# EAGLE board Mk4 Final Panel (EAGLE 9.0.1), part 1 of 18 (continued)
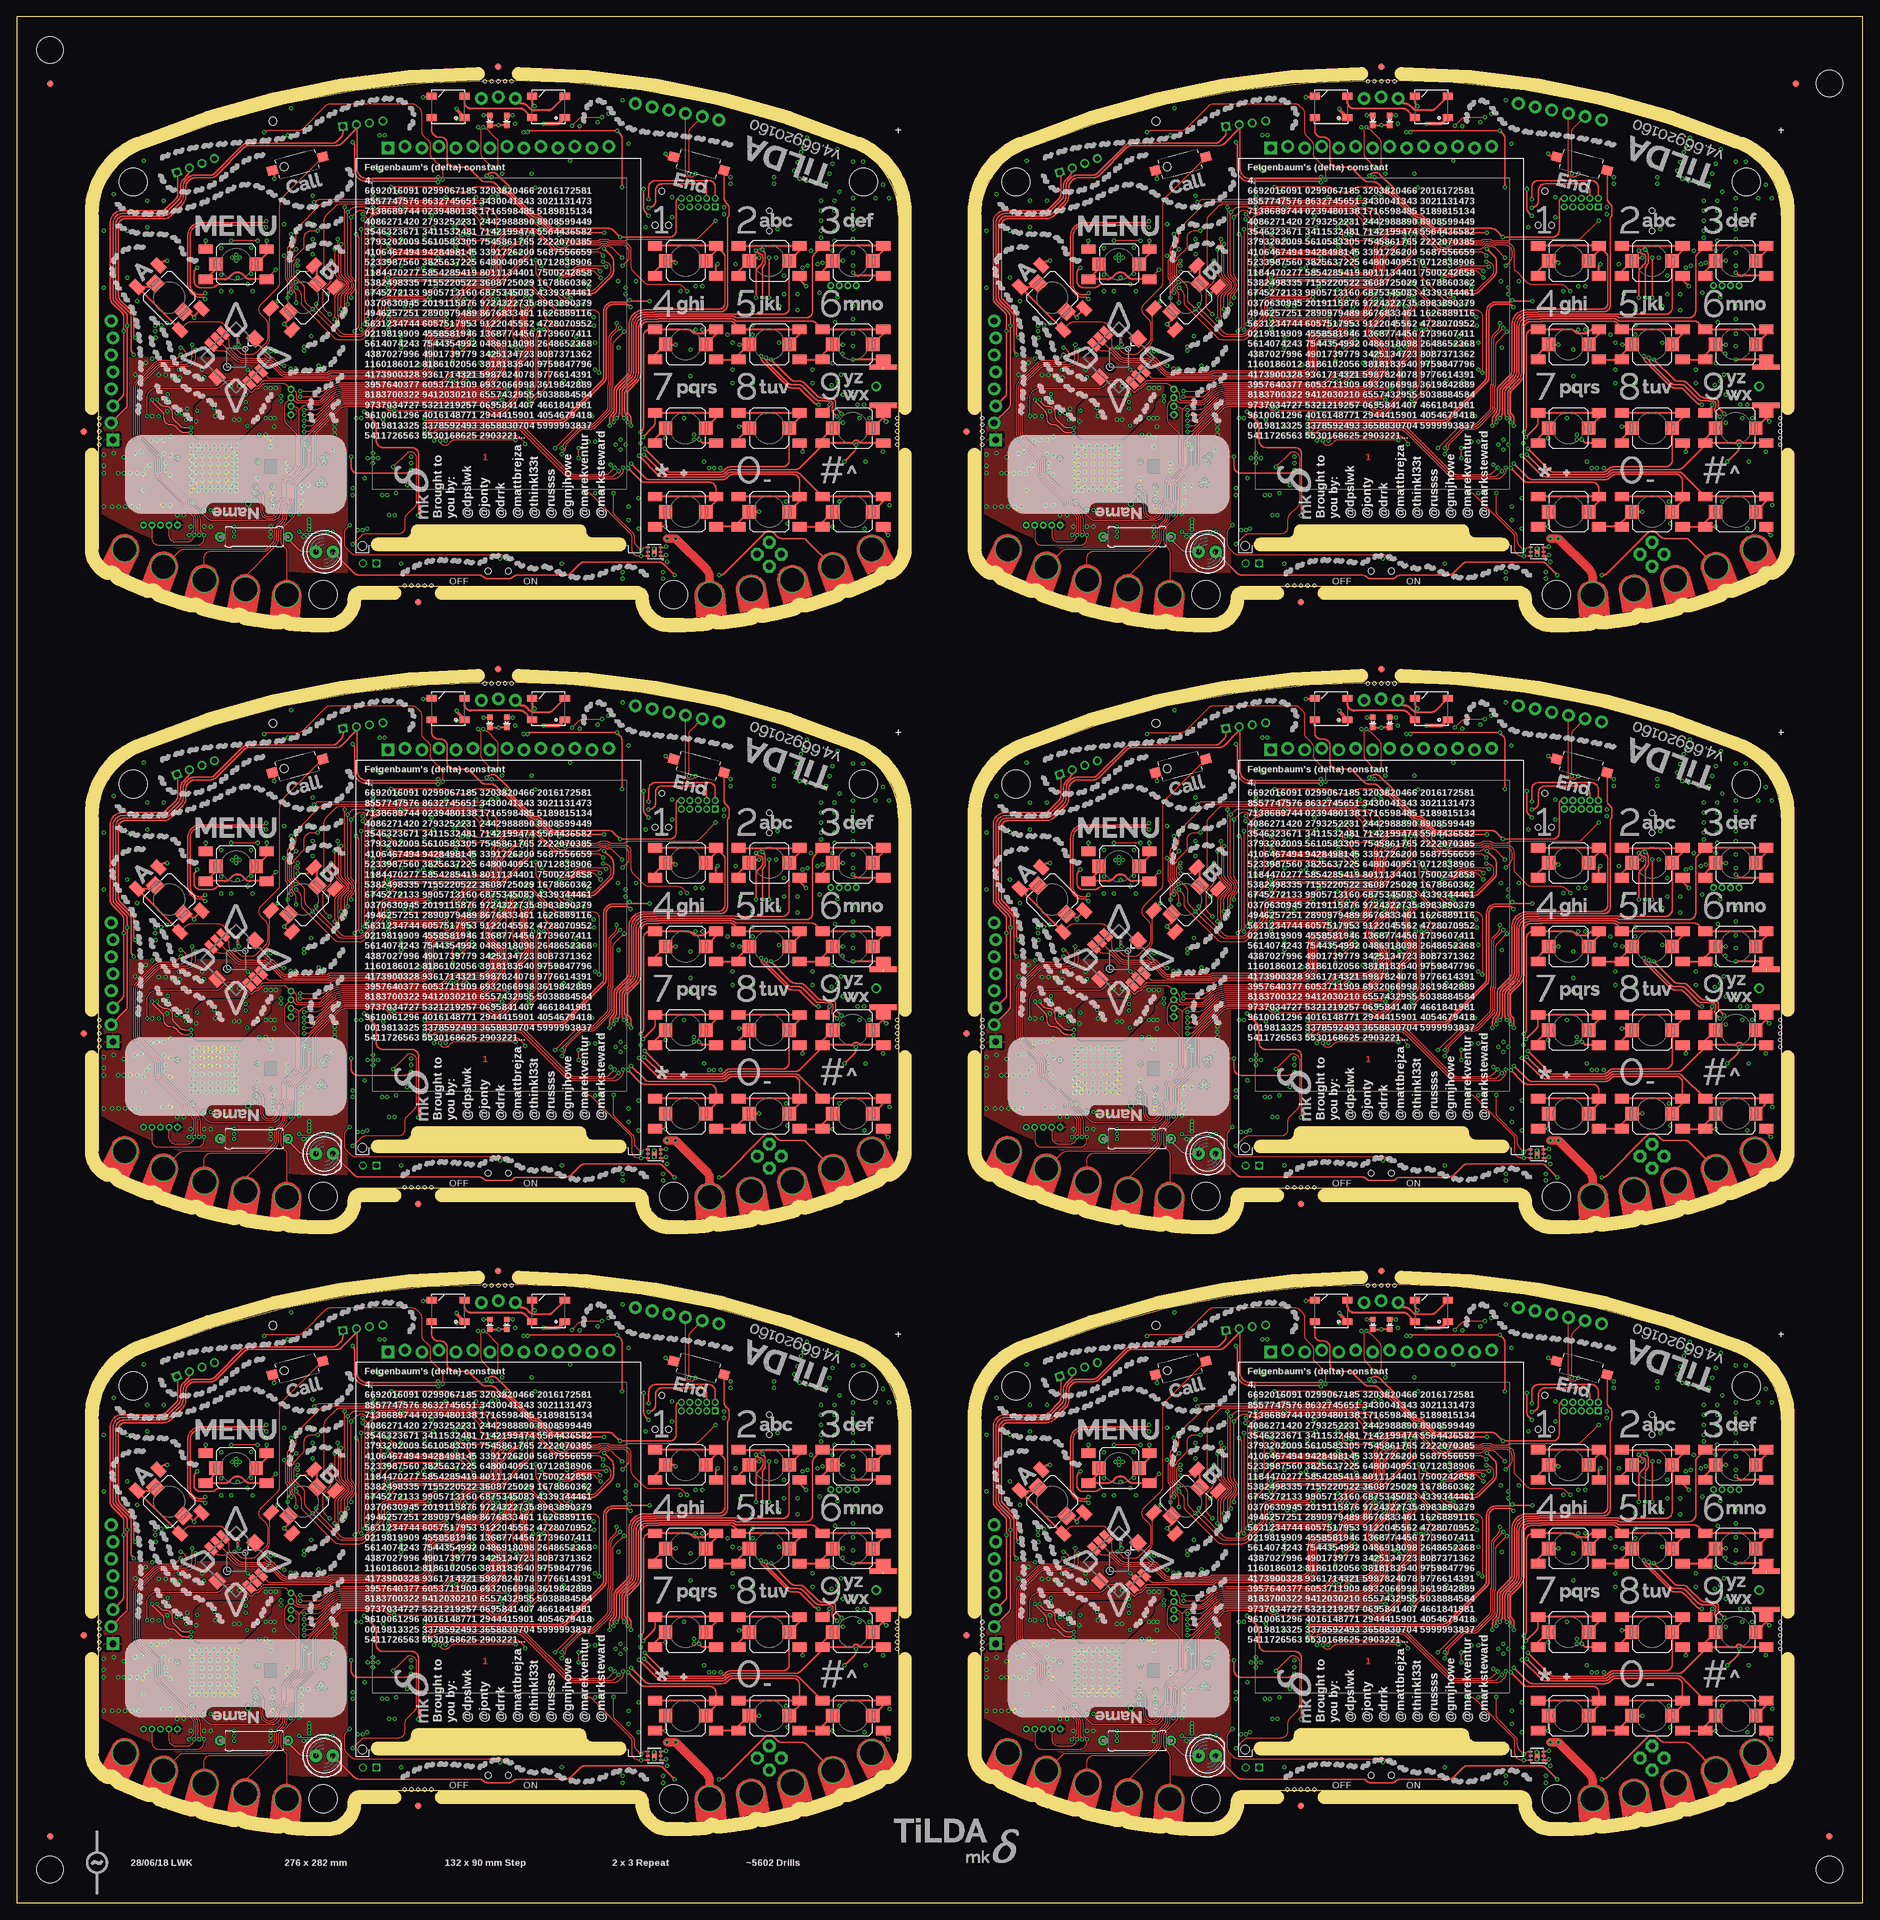
[diagram p0: board, top side]
## Placement (x,y rotation side) (continued)
C65  0402/10p/50V/C0G  [C0402-SMALLER]  102.5,60.5 90 bottom
C66  0402/33p/50V/C0G  [C0402-SMALLER]  101.5,56.5 270 bottom
C67  0402/33p/50V/C0G  [C0402-SMALLER]  101.5,60.5 90 bottom
C68  0402/10p/50V/C0G  [C0402-SMALLER]  102.5,58.5 90 bottom
C69  0402/10p/50V/C0G  [C0402-SMALLER]  102.5,56.5 270 bottom
C70  0402/100n/10V/X5R  [C0402-SMALLER]  91.25,62.45 180 bottom
C71  0402/100n/10V/X5R  [C0402-SMALLER]  106.75,73 270 bottom
C72  [C0402-SMALLER]  123.45,50.1 270 bottom
C73  [C0402-SMALLER]  124,47.5 180 bottom
C74  [C0402-SMALLER]  122.75,77 20 bottom
C75  [C0402-SMALLER]  123.75,79.75 20 bottom
C76  [C0402-SMALLER]  17.75,35.5 270 bottom
C77  [C0402-SMALLER]  14.5,35.5 270 bottom
C78  0402/1n/10V/X5R  [C0402-SMALLER]  93.5,69.75 0 bottom
C79  0402/2n2/10V/X5R  [C0402-SMALLER]  91.5,69.75 0 bottom
C80  0402/100n/10V/X5R  [C0402-SMALLER]  96,67 0 bottom
C81  0402/100n/10V/X5R  [C0402-SMALLER]  96,66 0 bottom
C82  0402/220n/6V3/X5R  [C0402-SMALLER]  35.95,70.45 180 bottom
C83  0402/220n/6V3/X5R  [C0402-SMALLER]  35.95,71.45 180 bottom
C84  0603/22u/4V/X5R  [C0603K-SMALL]  33.25,44.75 90 bottom
C85  0603/22u/4V/X5R  [C0603K-SMALL]  32,44.75 90 bottom
C86  0603/1u/6V3/X5R  [C0603K-SMALL]  23.5,41.75 0 bottom
C87  0805/10u/10V/X5R  [C0805-N]  38.25,44 270 bottom
C88  0402/4u7/6V3/X5R  [C0402-SMALLER]  27.6,42 90 bottom
C89  0402/4u7/6V3/X5R  [C0402-SMALLER]  33.2,40.5 180 bottom
C90  0402/4u7/6V3/X5R  [C0402-SMALLER]  28.9,42.2 90 bottom
C91  0402/100n/10V/X5R  [C0402-SMALLER]  28,27 270 bottom
C92  0402/100n/10V/X5R  [C0402-SMALLER]  36,34.25 270 bottom
C93  0805/10u/10V/X5R  [C0805-N]  36.5,40.75 180 bottom
C94  0402/100n/10V/X5R  [C0402-SMALLER]  23.5,34.25 0 bottom
C95  0402/100n/10V/X5R  [C0402-SMALLER]  36.75,37.75 180 bottom
C96  0402/100n/10V/X5R  [C0402-SMALLER]  37,30.75 180 bottom
C97  0402/100n/10V/X5R  [C0402-SMALLER]  29,27 270 bottom
C98  0402/12p/50V/C0G  [C0402-SMALLER]  22.95,32.25 270 bottom
C99  0402/12p/50V/C0G  [C0402-SMALLER]  22.95,30.25 90 bottom
C100  0402/12p/50V/C0G  [C0402-SMALLER]  39.75,33.75 270 bottom
C101  0402/12p/50V/C0G  [C0402-SMALLER]  39.75,35.75 90 bottom
C102  0402/100n/10V/X5R  [C0402-SMALLER]  87,31.5 180 bottom
C103  0402/120p/50V/C0G  [C0402-SMALLER]  39.95,26.35 270 bottom
C104  0402/100n/10V/X5R  [C0402-SMALLER]  96.25,22 90 bottom
C105  0402/220n/6V3/X5R  [C0402-SMALLER]  35.95,72.4 180 bottom
C106  0402/220n/6V3/X5R  [C0402-SMALLER]  36,69.5 180 bottom
C107  0402/100n/10V/X5R  [C0402-SMALLER]  91.35,18.5 270 bottom
C108  0402/100n/10V/X5R  [C0402-SMALLER]  98,21.5 270 bottom
C109  0603/4u7/10V/X5R  [C0603K-SMALL]  195.75,52.25 180 bottom
C110  0402/100n/10V/X5R  [C0402-SMALLER]  195.75,51 180 bottom
C111  0603/1u/6V3/X5R  [C0603K-SMALL]  198.75,87.5 270 bottom
C112  0402/100n/10V/X5R  [C0402-SMALLER]  213.75,58.25 0 bottom
C113  0402/100n/10V/X5R  [C0402-SMALLER]  206.5,84.75 270 bottom
C114  0402/100n/10V/X5R  [C0402-SMALLER]  213.5,80.5 0 bottom
C115  0402/100n/10V/X5R  [C0402-SMALLER]  222.45,82.5 270 bottom
C116  0603/2u2/6V3/X5R  [C0603K-SMALL]  215,63.5 0 bottom
C117  0603/1u/6V3/X5R  [C0603K-SMALL]  215,62.25 0 bottom
C118  0402/100n/10V/X5R  [C0402-SMALLER]  205.75,75 270 bottom
C119  0402/100n/10V/X5R  [C0402-SMALLER]  213.5,65.25 90 bottom
C120  0402/100n/10V/X5R  [C0402-SMALLER]  194.75,64.6 270 bottom
C121  0402/100n/10V/X5R  [C0402-SMALLER]  203.5,74.25 0 bottom
C122  0402/100n/10V/X5R  [C0402-SMALLER]  204,55.5 180 bottom
C123  0402/100n/10V/X5R  [C0402-SMALLER]  206.75,55.5 180 bottom
C124  0603/1u/6V3/X5R  [C0603K-SMALL]  206.75,53.75 180 bottom
C125  0402/100n/10V/X5R  [C0402-SMALLER]  202.5,76.25 0 bottom
C126  0402/12p/50V/C0G  [C0402-SMALLER]  206.25,76.45 180 bottom
C127  0402/12p/50V/C0G  [C0402-SMALLER]  208.25,76.45 0 bottom
C128  0402/12p/50V/C0G  [C0402-SMALLER]  197.4,75 180 bottom
C129  0402/12p/50V/C0G  [C0402-SMALLER]  199.4,75 0 bottom
C130  0603/3n3/50V/X7R  [C0603K-SMALL]  220.5,89.5 90 bottom
C131  0402/100n/10V/X5R  [C0402-SMALLER]  218,37.75 180 bottom
C132  0402/100n/10V/X5R  [C0402-SMALLER]  188.25,73.5 0 bottom
C133  0402/100n/10V/X5R  [C0402-SMALLER]  188.25,68.75 0 bottom
C134  0402/100n/10V/X5R  [C0402-SMALLER]  173.25,66.25 180 bottom
C135  0402/100n/10V/X5R  [C0402-SMALLER]  188.25,64.75 0 bottom
C136  0402/100n/10V/X5R  [C0402-SMALLER]  188.25,75 0 bottom
C137  0402/100n/10V/X5R  [C0402-SMALLER]  173.25,71 180 bottom
C138  0402/100n/10V/X5R  [C0402-SMALLER]  188.25,54.25 0 bottom
C139  1411/100u/10V/Tant  [CT3528]  240.25,37.5 90 bottom
C140  0603/4u7/10V/X5R  [C0603K-SMALL]  245.5,39.75 180 bottom
C141  0402/100n/10V/X5R  [C0402-SMALLER]  247.25,42.75 180 bottom
C142  1411/100u/10V/Tant  [CT3528]  236.5,37.5 90 bottom
C143  0805/10u/10V/X5R  [C0805-N]  176.45,30.75 0 bottom
C144  0603/4u7/10V/X5R  [C0603K-SMALL]  177.45,26.35 90 bottom
C145  0805/10u/10V/X5R  [C0805-N]  176.45,28.75 0 bottom
C146  0805/10u/10V/X5R  [C0805-N]  225,27.75 270 bottom
C147  0805/10u/10V/X5R  [C0805-N]  187.75,32 180 bottom
C148  0805/10u/10V/X5R  [C0805-N]  180.75,38.5 90 bottom
C149  0603/4u7/10V/X5R  [C0603K-SMALL]  180.2,36.25 180 bottom
C150  0402/47n/10V/X5R  [C0402-SMALLER]  180.75,35.25 0 bottom
C151  0805/10u/10V/X5R  [C0805-N]  184.25,31 0 bottom
C152  0603/1u/6V3/X5R  [C0603K-SMALL]  181.75,40.75 0 bottom
C153  1210/100u/6V3/X5R  [C1210K]  170,49.25 270 bottom
C154  1210/100u/6V3/X5R  [C1210K]  167.25,25 0 bottom
C155  0402/22p/10V/C0G  [C0402-SMALLER]  245.5,64.5 270 bottom
C156  0402/22p/10V/C0G  [C0402-SMALLER]  242.5,64.5 270 bottom
C157  0402/22p/10V/C0G  [C0402-SMALLER]  240.5,64.5 270 bottom
C158  0402/100n/10V/X5R  [C0402-SMALLER]  259.25,26.25 180 bottom
C159  0402/33p/50V/C0G  [C0402-SMALLER]  242,78 0 bottom
C160  0402/10p/50V/C0G  [C0402-SMALLER]  240,77 0 bottom
C161  0402/33p/50V/C0G  [C0402-SMALLER]  244,78 180 bottom
C162  0402/33p/50V/C0G  [C0402-SMALLER]  240,78 0 bottom
C163  0402/10p/50V/C0G  [C0402-SMALLER]  242,77 0 bottom
C164  0402/10p/50V/C0G  [C0402-SMALLER]  244,77 180 bottom
C165  0402/33p/50V/C0G  [C0402-SMALLER]  233.5,58.5 90 bottom
C166  0402/10p/50V/C0G  [C0402-SMALLER]  234.5,60.5 90 bottom
C167  0402/33p/50V/C0G  [C0402-SMALLER]  233.5,56.5 270 bottom
C168  0402/33p/50V/C0G  [C0402-SMALLER]  233.5,60.5 90 bottom
C169  0402/10p/50V/C0G  [C0402-SMALLER]  234.5,58.5 90 bottom
C170  0402/10p/50V/C0G  [C0402-SMALLER]  234.5,56.5 270 bottom
C171  0402/100n/10V/X5R  [C0402-SMALLER]  223.25,62.45 180 bottom
C172  0402/100n/10V/X5R  [C0402-SMALLER]  238.75,73 270 bottom
C173  [C0402-SMALLER]  255.45,50.1 270 bottom
C174  [C0402-SMALLER]  256,47.5 180 bottom
C175  [C0402-SMALLER]  254.75,77 20 bottom
C176  [C0402-SMALLER]  255.75,79.75 20 bottom
C177  [C0402-SMALLER]  149.75,35.5 270 bottom
C178  [C0402-SMALLER]  146.5,35.5 270 bottom
C179  0402/1n/10V/X5R  [C0402-SMALLER]  225.5,69.75 0 bottom
C180  0402/2n2/10V/X5R  [C0402-SMALLER]  223.5,69.75 0 bottom
C181  0402/100n/10V/X5R  [C0402-SMALLER]  228,67 0 bottom
C182  0402/100n/10V/X5R  [C0402-SMALLER]  228,66 0 bottom
C183  0402/220n/6V3/X5R  [C0402-SMALLER]  167.95,70.45 180 bottom
C184  0402/220n/6V3/X5R  [C0402-SMALLER]  167.95,71.45 180 bottom
C185  0402/100n/10V/X5R  [C0402-SMALLER]  165.05,61.45 270 bottom
C186  0402/100n/10V/X5R  [C0402-SMALLER]  161,49.25 180 bottom
C187  0402/100n/10V/X5R  [C0402-SMALLER]  152.25,41 270 bottom
C188  0402/100n/10V/X5R  [C0402-SMALLER]  155.5,35.25 0 bottom
C189  0805/10u/10V/X5R  [C0805-N]  155.85,46.1 90 bottom
C190  0402/100n/10V/X5R  [C0402-SMALLER]  158.1,42.25 90 bottom
C191  0402/100n/10V/X5R  [C0402-SMALLER]  168.75,38.75 180 bottom
C192  0603/1u/6V3/X5R  [C0603K-SMALL]  155.5,41.75 0 bottom
C193  0603/22u/4V/X5R  [C0603K-SMALL]  165.25,44.75 90 bottom
C194  0603/22u/4V/X5R  [C0603K-SMALL]  164,44.75 90 bottom
C195  0805/10u/10V/X5R  [C0805-N]  170.25,44 270 bottom
C196  0402/4u7/6V3/X5R  [C0402-SMALLER]  159.6,42 90 bottom
C197  0402/4u7/6V3/X5R  [C0402-SMALLER]  165.2,40.5 180 bottom
C198  0402/4u7/6V3/X5R  [C0402-SMALLER]  160.9,42.2 90 bottom
C199  0402/100n/10V/X5R  [C0402-SMALLER]  160,27 270 bottom
C200  0402/100n/10V/X5R  [C0402-SMALLER]  168,34.25 270 bottom
C201  0805/10u/10V/X5R  [C0805-N]  168.5,40.75 180 bottom
C202  0402/100n/10V/X5R  [C0402-SMALLER]  155.5,34.25 0 bottom
C203  0402/100n/10V/X5R  [C0402-SMALLER]  168.75,37.75 180 bottom
C204  0402/100n/10V/X5R  [C0402-SMALLER]  169,30.75 180 bottom
C205  0402/100n/10V/X5R  [C0402-SMALLER]  161,27 270 bottom
C206  0402/12p/50V/C0G  [C0402-SMALLER]  154.95,32.25 270 bottom
C207  0402/12p/50V/C0G  [C0402-SMALLER]  154.95,30.25 90 bottom
C208  0402/12p/50V/C0G  [C0402-SMALLER]  171.75,33.75 270 bottom
C209  0402/12p/50V/C0G  [C0402-SMALLER]  171.75,35.75 90 bottom
C210  0402/100n/10V/X5R  [C0402-SMALLER]  219,31.5 180 bottom
C211  0402/120p/50V/C0G  [C0402-SMALLER]  171.95,26.35 270 bottom
C212  0402/100n/10V/X5R  [C0402-SMALLER]  228.25,22 90 bottom
C213  0402/220n/6V3/X5R  [C0402-SMALLER]  167.95,72.4 180 bottom
C214  0402/220n/6V3/X5R  [C0402-SMALLER]  168,69.5 180 bottom
C215  0402/100n/10V/X5R  [C0402-SMALLER]  223.35,18.5 270 bottom
C216  0402/100n/10V/X5R  [C0402-SMALLER]  230,21.5 270 bottom
C217  0603/4u7/10V/X5R  [C0603K-SMALL]  63.75,142.25 180 bottom
C218  0402/100n/10V/X5R  [C0402-SMALLER]  63.75,141 180 bottom
C219  0603/1u/6V3/X5R  [C0603K-SMALL]  66.75,177.5 270 bottom
C220  0402/100n/10V/X5R  [C0402-SMALLER]  81.75,148.25 0 bottom
C221  0402/100n/10V/X5R  [C0402-SMALLER]  74.5,174.75 270 bottom
C222  0402/100n/10V/X5R  [C0402-SMALLER]  81.5,170.5 0 bottom
C223  0402/100n/10V/X5R  [C0402-SMALLER]  90.45,172.5 270 bottom
C224  0603/2u2/6V3/X5R  [C0603K-SMALL]  83,153.5 0 bottom
C225  0603/1u/6V3/X5R  [C0603K-SMALL]  83,152.25 0 bottom
C226  0402/100n/10V/X5R  [C0402-SMALLER]  73.75,165 270 bottom
C227  0402/100n/10V/X5R  [C0402-SMALLER]  81.5,155.25 90 bottom
C228  0402/100n/10V/X5R  [C0402-SMALLER]  62.75,154.6 270 bottom
C229  0402/100n/10V/X5R  [C0402-SMALLER]  71.5,164.25 0 bottom
C230  0402/100n/10V/X5R  [C0402-SMALLER]  72,145.5 180 bottom
C231  0402/100n/10V/X5R  [C0402-SMALLER]  74.75,145.5 180 bottom
C232  0603/1u/6V3/X5R  [C0603K-SMALL]  74.75,143.75 180 bottom
C233  0402/100n/10V/X5R  [C0402-SMALLER]  70.5,166.25 0 bottom
C234  0402/12p/50V/C0G  [C0402-SMALLER]  74.25,166.45 180 bottom
C235  0402/12p/50V/C0G  [C0402-SMALLER]  76.25,166.45 0 bottom
C236  0402/12p/50V/C0G  [C0402-SMALLER]  65.4,165 180 bottom
C237  0402/12p/50V/C0G  [C0402-SMALLER]  67.4,165 0 bottom
C238  0603/3n3/50V/X7R  [C0603K-SMALL]  88.5,179.5 90 bottom
C239  0402/100n/10V/X5R  [C0402-SMALLER]  86,127.75 180 bottom
C240  0402/100n/10V/X5R  [C0402-SMALLER]  56.25,163.5 0 bottom
C241  0402/100n/10V/X5R  [C0402-SMALLER]  56.25,158.75 0 bottom
C242  0402/100n/10V/X5R  [C0402-SMALLER]  41.25,156.25 180 bottom
C243  0402/100n/10V/X5R  [C0402-SMALLER]  56.25,154.75 0 bottom
C244  0402/100n/10V/X5R  [C0402-SMALLER]  56.25,165 0 bottom
C245  0402/100n/10V/X5R  [C0402-SMALLER]  41.25,161 180 bottom
C246  0402/100n/10V/X5R  [C0402-SMALLER]  56.25,144.25 0 bottom
C247  1411/100u/10V/Tant  [CT3528]  108.25,127.5 90 bottom
C248  0603/4u7/10V/X5R  [C0603K-SMALL]  113.5,129.75 180 bottom
C249  0402/100n/10V/X5R  [C0402-SMALLER]  115.25,132.75 180 bottom
C250  1411/100u/10V/Tant  [CT3528]  104.5,127.5 90 bottom
C251  0805/10u/10V/X5R  [C0805-N]  44.45,120.75 0 bottom
C252  0603/4u7/10V/X5R  [C0603K-SMALL]  45.45,116.35 90 bottom
C253  0805/10u/10V/X5R  [C0805-N]  44.45,118.75 0 bottom
C254  0805/10u/10V/X5R  [C0805-N]  93,117.75 270 bottom
C255  0805/10u/10V/X5R  [C0805-N]  55.75,122 180 bottom
C256  0805/10u/10V/X5R  [C0805-N]  48.75,128.5 90 bottom
C257  0603/4u7/10V/X5R  [C0603K-SMALL]  48.2,126.25 180 bottom
C258  0402/47n/10V/X5R  [C0402-SMALLER]  48.75,125.25 0 bottom
C259  0805/10u/10V/X5R  [C0805-N]  52.25,121 0 bottom
C260  0603/1u/6V3/X5R  [C0603K-SMALL]  49.75,130.75 0 bottom
C261  1210/100u/6V3/X5R  [C1210K]  38,139.25 270 bottom
C262  1210/100u/6V3/X5R  [C1210K]  35.25,115 0 bottom
C263  0402/22p/10V/C0G  [C0402-SMALLER]  113.5,154.5 270 bottom
C264  0402/22p/10V/C0G  [C0402-SMALLER]  110.5,154.5 270 bottom
C265  0402/22p/10V/C0G  [C0402-SMALLER]  108.5,154.5 270 bottom
C266  0402/100n/10V/X5R  [C0402-SMALLER]  127.25,116.25 180 bottom
C267  0402/33p/50V/C0G  [C0402-SMALLER]  110,168 0 bottom
C268  0402/10p/50V/C0G  [C0402-SMALLER]  108,167 0 bottom
C269  0402/33p/50V/C0G  [C0402-SMALLER]  112,168 180 bottom
C270  0402/33p/50V/C0G  [C0402-SMALLER]  108,168 0 bottom
C271  0402/10p/50V/C0G  [C0402-SMALLER]  110,167 0 bottom
C272  0402/10p/50V/C0G  [C0402-SMALLER]  112,167 180 bottom
C273  0402/33p/50V/C0G  [C0402-SMALLER]  101.5,148.5 90 bottom
C274  0402/10p/50V/C0G  [C0402-SMALLER]  102.5,150.5 90 bottom
C275  0402/33p/50V/C0G  [C0402-SMALLER]  101.5,146.5 270 bottom
C276  0402/33p/50V/C0G  [C0402-SMALLER]  101.5,150.5 90 bottom
C277  0402/10p/50V/C0G  [C0402-SMALLER]  102.5,148.5 90 bottom
C278  0402/10p/50V/C0G  [C0402-SMALLER]  102.5,146.5 270 bottom
C279  0402/100n/10V/X5R  [C0402-SMALLER]  91.25,152.45 180 bottom
C280  0402/100n/10V/X5R  [C0402-SMALLER]  106.75,163 270 bottom
C281  [C0402-SMALLER]  123.45,140.1 270 bottom
C282  [C0402-SMALLER]  124,137.5 180 bottom
C283  [C0402-SMALLER]  122.75,167 20 bottom
C284  [C0402-SMALLER]  123.75,169.75 20 bottom
C285  [C0402-SMALLER]  17.75,125.5 270 bottom
C286  [C0402-SMALLER]  14.5,125.5 270 bottom
C287  0402/1n/10V/X5R  [C0402-SMALLER]  93.5,159.75 0 bottom
C288  0402/2n2/10V/X5R  [C0402-SMALLER]  91.5,159.75 0 bottom
C289  0402/100n/10V/X5R  [C0402-SMALLER]  96,157 0 bottom
C290  0402/100n/10V/X5R  [C0402-SMALLER]  96,156 0 bottom
C291  0402/220n/6V3/X5R  [C0402-SMALLER]  35.95,160.45 180 bottom
C292  0402/220n/6V3/X5R  [C0402-SMALLER]  35.95,161.45 180 bottom
C293  0402/100n/10V/X5R  [C0402-SMALLER]  33.05,151.45 270 bottom
C294  0402/100n/10V/X5R  [C0402-SMALLER]  29,139.25 180 bottom
C295  0402/100n/10V/X5R  [C0402-SMALLER]  20.25,131 270 bottom
C296  0402/100n/10V/X5R  [C0402-SMALLER]  23.5,125.25 0 bottom
C297  0805/10u/10V/X5R  [C0805-N]  23.85,136.1 90 bottom
C298  0402/100n/10V/X5R  [C0402-SMALLER]  26.1,132.25 90 bottom
C299  0402/100n/10V/X5R  [C0402-SMALLER]  36.75,128.75 180 bottom
C300  0603/1u/6V3/X5R  [C0603K-SMALL]  23.5,131.75 0 bottom
C301  0603/22u/4V/X5R  [C0603K-SMALL]  33.25,134.75 90 bottom
C302  0603/22u/4V/X5R  [C0603K-SMALL]  32,134.75 90 bottom
C303  0805/10u/10V/X5R  [C0805-N]  38.25,134 270 bottom
C304  0402/4u7/6V3/X5R  [C0402-SMALLER]  27.6,132 90 bottom
C305  0402/4u7/6V3/X5R  [C0402-SMALLER]  33.2,130.5 180 bottom
C306  0402/4u7/6V3/X5R  [C0402-SMALLER]  28.9,132.2 90 bottom
C307  0402/100n/10V/X5R  [C0402-SMALLER]  28,117 270 bottom
C308  0402/100n/10V/X5R  [C0402-SMALLER]  36,124.25 270 bottom
C309  0805/10u/10V/X5R  [C0805-N]  36.5,130.75 180 bottom
C310  0402/100n/10V/X5R  [C0402-SMALLER]  23.5,124.25 0 bottom
C311  0402/100n/10V/X5R  [C0402-SMALLER]  36.75,127.75 180 bottom
C312  0402/100n/10V/X5R  [C0402-SMALLER]  37,120.75 180 bottom
C313  0402/100n/10V/X5R  [C0402-SMALLER]  29,117 270 bottom
C314  0402/12p/50V/C0G  [C0402-SMALLER]  22.95,122.25 270 bottom
C315  0402/12p/50V/C0G  [C0402-SMALLER]  22.95,120.25 90 bottom
C316  0402/12p/50V/C0G  [C0402-SMALLER]  39.75,123.75 270 bottom
C317  0402/12p/50V/C0G  [C0402-SMALLER]  39.75,125.75 90 bottom
C318  0402/100n/10V/X5R  [C0402-SMALLER]  87,121.5 180 bottom
C319  0402/120p/50V/C0G  [C0402-SMALLER]  39.95,116.35 270 bottom
C320  0402/100n/10V/X5R  [C0402-SMALLER]  96.25,112 90 bottom
C321  0402/220n/6V3/X5R  [C0402-SMALLER]  35.95,162.4 180 bottom
C322  0402/220n/6V3/X5R  [C0402-SMALLER]  36,159.5 180 bottom
C323  0402/100n/10V/X5R  [C0402-SMALLER]  91.35,108.5 270 bottom
C324  0402/100n/10V/X5R  [C0402-SMALLER]  98,111.5 270 bottom
C325  0603/4u7/10V/X5R  [C0603K-SMALL]  195.75,142.25 180 bottom
C326  0402/100n/10V/X5R  [C0402-SMALLER]  195.75,141 180 bottom
C327  0603/1u/6V3/X5R  [C0603K-SMALL]  198.75,177.5 270 bottom
C328  0402/100n/10V/X5R  [C0402-SMALLER]  213.75,148.25 0 bottom
C329  0402/100n/10V/X5R  [C0402-SMALLER]  206.5,174.75 270 bottom
C330  0402/100n/10V/X5R  [C0402-SMALLER]  213.5,170.5 0 bottom
C331  0402/100n/10V/X5R  [C0402-SMALLER]  222.45,172.5 270 bottom
C332  0603/2u2/6V3/X5R  [C0603K-SMALL]  215,153.5 0 bottom
C333  0603/1u/6V3/X5R  [C0603K-SMALL]  215,152.25 0 bottom
C334  0402/100n/10V/X5R  [C0402-SMALLER]  205.75,165 270 bottom
C335  0402/100n/10V/X5R  [C0402-SMALLER]  213.5,155.25 90 bottom
C336  0402/100n/10V/X5R  [C0402-SMALLER]  194.75,154.6 270 bottom
C337  0402/100n/10V/X5R  [C0402-SMALLER]  203.5,164.25 0 bottom
C338  0402/100n/10V/X5R  [C0402-SMALLER]  204,145.5 180 bottom
C339  0402/100n/10V/X5R  [C0402-SMALLER]  206.75,145.5 180 bottom
C340  0603/1u/6V3/X5R  [C0603K-SMALL]  206.75,143.75 180 bottom
C341  0402/100n/10V/X5R  [C0402-SMALLER]  202.5,166.25 0 bottom
C342  0402/12p/50V/C0G  [C0402-SMALLER]  206.25,166.45 180 bottom
C343  0402/12p/50V/C0G  [C0402-SMALLER]  208.25,166.45 0 bottom
C344  0402/12p/50V/C0G  [C0402-SMALLER]  197.4,165 180 bottom
C345  0402/12p/50V/C0G  [C0402-SMALLER]  199.4,165 0 bottom
C346  0603/3n3/50V/X7R  [C0603K-SMALL]  220.5,179.5 90 bottom
C347  0402/100n/10V/X5R  [C0402-SMALLER]  218,127.75 180 bottom
C348  0402/100n/10V/X5R  [C0402-SMALLER]  188.25,163.5 0 bottom
C349  0402/100n/10V/X5R  [C0402-SMALLER]  188.25,158.75 0 bottom
C350  0402/100n/10V/X5R  [C0402-SMALLER]  173.25,156.25 180 bottom
C351  0402/100n/10V/X5R  [C0402-SMALLER]  188.25,154.75 0 bottom
C352  0402/100n/10V/X5R  [C0402-SMALLER]  188.25,165 0 bottom
C353  0402/100n/10V/X5R  [C0402-SMALLER]  173.25,161 180 bottom
C354  0402/100n/10V/X5R  [C0402-SMALLER]  188.25,144.25 0 bottom
C355  1411/100u/10V/Tant  [CT3528]  240.25,127.5 90 bottom
C356  0603/4u7/10V/X5R  [C0603K-SMALL]  245.5,129.75 180 bottom
C357  0402/100n/10V/X5R  [C0402-SMALLER]  247.25,132.75 180 bottom
C358  1411/100u/10V/Tant  [CT3528]  236.5,127.5 90 bottom
C359  0805/10u/10V/X5R  [C0805-N]  176.45,120.75 0 bottom
C360  0603/4u7/10V/X5R  [C0603K-SMALL]  177.45,116.35 90 bottom
C361  0805/10u/10V/X5R  [C0805-N]  176.45,118.75 0 bottom
C362  0805/10u/10V/X5R  [C0805-N]  225,117.75 270 bottom
C363  0805/10u/10V/X5R  [C0805-N]  187.75,122 180 bottom
C364  0805/10u/10V/X5R  [C0805-N]  180.75,128.5 90 bottom
C365  0603/4u7/10V/X5R  [C0603K-SMALL]  180.2,126.25 180 bottom
C366  0402/47n/10V/X5R  [C0402-SMALLER]  180.75,125.25 0 bottom
C367  0805/10u/10V/X5R  [C0805-N]  184.25,121 0 bottom
C368  0603/1u/6V3/X5R  [C0603K-SMALL]  181.75,130.75 0 bottom
C369  1210/100u/6V3/X5R  [C1210K]  170,139.25 270 bottom
C370  1210/100u/6V3/X5R  [C1210K]  167.25,115 0 bottom
C371  0402/22p/10V/C0G  [C0402-SMALLER]  245.5,154.5 270 bottom
C372  0402/22p/10V/C0G  [C0402-SMALLER]  242.5,154.5 270 bottom
C373  0402/22p/10V/C0G  [C0402-SMALLER]  240.5,154.5 270 bottom
C374  0402/100n/10V/X5R  [C0402-SMALLER]  259.25,116.25 180 bottom
C375  0402/33p/50V/C0G  [C0402-SMALLER]  242,168 0 bottom
C376  0402/10p/50V/C0G  [C0402-SMALLER]  240,167 0 bottom
C377  0402/33p/50V/C0G  [C0402-SMALLER]  244,168 180 bottom
C378  0402/33p/50V/C0G  [C0402-SMALLER]  240,168 0 bottom
C379  0402/10p/50V/C0G  [C0402-SMALLER]  242,167 0 bottom
C380  0402/10p/50V/C0G  [C0402-SMALLER]  244,167 180 bottom
C381  0402/33p/50V/C0G  [C0402-SMALLER]  233.5,148.5 90 bottom
C382  0402/10p/50V/C0G  [C0402-SMALLER]  234.5,150.5 90 bottom
C383  0402/33p/50V/C0G  [C0402-SMALLER]  233.5,146.5 270 bottom
C384  0402/33p/50V/C0G  [C0402-SMALLER]  233.5,150.5 90 bottom
C385  0402/10p/50V/C0G  [C0402-SMALLER]  234.5,148.5 90 bottom
C386  0402/10p/50V/C0G  [C0402-SMALLER]  234.5,146.5 270 bottom
C387  0402/100n/10V/X5R  [C0402-SMALLER]  223.25,152.45 180 bottom
C388  0402/100n/10V/X5R  [C0402-SMALLER]  238.75,163 270 bottom
C389  [C0402-SMALLER]  255.45,140.1 270 bottom
C390  [C0402-SMALLER]  256,137.5 180 bottom
C391  [C0402-SMALLER]  254.75,167 20 bottom
C392  [C0402-SMALLER]  255.75,169.75 20 bottom
C393  [C0402-SMALLER]  149.75,125.5 270 bottom
C394  [C0402-SMALLER]  146.5,125.5 270 bottom
C395  0402/1n/10V/X5R  [C0402-SMALLER]  225.5,159.75 0 bottom
C396  0402/2n2/10V/X5R  [C0402-SMALLER]  223.5,159.75 0 bottom
C397  0402/100n/10V/X5R  [C0402-SMALLER]  228,157 0 bottom
C398  0402/100n/10V/X5R  [C0402-SMALLER]  228,156 0 bottom
C399  0402/220n/6V3/X5R  [C0402-SMALLER]  167.95,160.45 180 bottom
C400  0402/220n/6V3/X5R  [C0402-SMALLER]  167.95,161.45 180 bottom
C401  0402/100n/10V/X5R  [C0402-SMALLER]  165.05,151.45 270 bottom
C402  0402/100n/10V/X5R  [C0402-SMALLER]  161,139.25 180 bottom
C403  0402/100n/10V/X5R  [C0402-SMALLER]  152.25,131 270 bottom
C404  0402/100n/10V/X5R  [C0402-SMALLER]  155.5,125.25 0 bottom
C405  0805/10u/10V/X5R  [C0805-N]  155.85,136.1 90 bottom
C406  0402/100n/10V/X5R  [C0402-SMALLER]  158.1,132.25 90 bottom
C407  0402/100n/10V/X5R  [C0402-SMALLER]  168.75,128.75 180 bottom
C408  0603/1u/6V3/X5R  [C0603K-SMALL]  155.5,131.75 0 bottom
C409  0603/22u/4V/X5R  [C0603K-SMALL]  165.25,134.75 90 bottom
C410  0603/22u/4V/X5R  [C0603K-SMALL]  164,134.75 90 bottom
C411  0805/10u/10V/X5R  [C0805-N]  170.25,134 270 bottom
C412  0402/4u7/6V3/X5R  [C0402-SMALLER]  159.6,132 90 bottom
C413  0402/4u7/6V3/X5R  [C0402-SMALLER]  165.2,130.5 180 bottom
C414  0402/4u7/6V3/X5R  [C0402-SMALLER]  160.9,132.2 90 bottom
C415  0402/100n/10V/X5R  [C0402-SMALLER]  160,117 270 bottom
C416  0402/100n/10V/X5R  [C0402-SMALLER]  168,124.25 270 bottom
C417  0805/10u/10V/X5R  [C0805-N]  168.5,130.75 180 bottom
C418  0402/100n/10V/X5R  [C0402-SMALLER]  155.5,124.25 0 bottom
C419  0402/100n/10V/X5R  [C0402-SMALLER]  168.75,127.75 180 bottom
C420  0402/100n/10V/X5R  [C0402-SMALLER]  169,120.75 180 bottom
C421  0402/100n/10V/X5R  [C0402-SMALLER]  161,117 270 bottom
C422  0402/12p/50V/C0G  [C0402-SMALLER]  154.95,122.25 270 bottom
C423  0402/12p/50V/C0G  [C0402-SMALLER]  154.95,120.25 90 bottom
C424  0402/12p/50V/C0G  [C0402-SMALLER]  171.75,123.75 270 bottom
C425  0402/12p/50V/C0G  [C0402-SMALLER]  171.75,125.75 90 bottom
C426  0402/100n/10V/X5R  [C0402-SMALLER]  219,121.5 180 bottom
C427  0402/120p/50V/C0G  [C0402-SMALLER]  171.95,116.35 270 bottom
C428  0402/100n/10V/X5R  [C0402-SMALLER]  228.25,112 90 bottom
C429  0402/220n/6V3/X5R  [C0402-SMALLER]  167.95,162.4 180 bottom
C430  0402/220n/6V3/X5R  [C0402-SMALLER]  168,159.5 180 bottom
C431  0402/100n/10V/X5R  [C0402-SMALLER]  223.35,108.5 270 bottom
C432  0402/100n/10V/X5R  [C0402-SMALLER]  230,111.5 270 bottom
C433  0603/4u7/10V/X5R  [C0603K-SMALL]  63.75,232.25 180 bottom
C434  0402/100n/10V/X5R  [C0402-SMALLER]  63.75,231 180 bottom
C435  0603/1u/6V3/X5R  [C0603K-SMALL]  66.75,267.5 270 bottom
C436  0402/100n/10V/X5R  [C0402-SMALLER]  81.75,238.25 0 bottom
C437  0402/100n/10V/X5R  [C0402-SMALLER]  74.5,264.75 270 bottom
C438  0402/100n/10V/X5R  [C0402-SMALLER]  81.5,260.5 0 bottom
C439  0402/100n/10V/X5R  [C0402-SMALLER]  90.45,262.5 270 bottom
C440  0603/2u2/6V3/X5R  [C0603K-SMALL]  83,243.5 0 bottom
C441  0603/1u/6V3/X5R  [C0603K-SMALL]  83,242.25 0 bottom
C442  0402/100n/10V/X5R  [C0402-SMALLER]  73.75,255 270 bottom
C443  0402/100n/10V/X5R  [C0402-SMALLER]  81.5,245.25 90 bottom
C444  0402/100n/10V/X5R  [C0402-SMALLER]  62.75,244.6 270 bottom
C445  0402/100n/10V/X5R  [C0402-SMALLER]  71.5,254.25 0 bottom
C446  0402/100n/10V/X5R  [C0402-SMALLER]  72,235.5 180 bottom
C447  0402/100n/10V/X5R  [C0402-SMALLER]  74.75,235.5 180 bottom
C448  0603/1u/6V3/X5R  [C0603K-SMALL]  74.75,233.75 180 bottom
C449  0402/100n/10V/X5R  [C0402-SMALLER]  70.5,256.25 0 bottom
C450  0402/12p/50V/C0G  [C0402-SMALLER]  74.25,256.45 180 bottom
C451  0402/12p/50V/C0G  [C0402-SMALLER]  76.25,256.45 0 bottom
C452  0402/12p/50V/C0G  [C0402-SMALLER]  65.4,255 180 bottom
C453  0402/12p/50V/C0G  [C0402-SMALLER]  67.4,255 0 bottom
C454  0603/3n3/50V/X7R  [C0603K-SMALL]  88.5,269.5 90 bottom
C455  0402/100n/10V/X5R  [C0402-SMALLER]  86,217.75 180 bottom
C456  0402/100n/10V/X5R  [C0402-SMALLER]  56.25,253.5 0 bottom
C457  0402/100n/10V/X5R  [C0402-SMALLER]  56.25,248.75 0 bottom
C458  0402/100n/10V/X5R  [C0402-SMALLER]  41.25,246.25 180 bottom
C459  0402/100n/10V/X5R  [C0402-SMALLER]  56.25,244.75 0 bottom
C460  0402/100n/10V/X5R  [C0402-SMALLER]  56.25,255 0 bottom
C461  0402/100n/10V/X5R  [C0402-SMALLER]  41.25,251 180 bottom
C462  0402/100n/10V/X5R  [C0402-SMALLER]  56.25,234.25 0 bottom
C463  1411/100u/10V/Tant  [CT3528]  108.25,217.5 90 bottom
C464  0603/4u7/10V/X5R  [C0603K-SMALL]  113.5,219.75 180 bottom
C465  0402/100n/10V/X5R  [C0402-SMALLER]  115.25,222.75 180 bottom
C466  1411/100u/10V/Tant  [CT3528]  104.5,217.5 90 bottom
C467  0805/10u/10V/X5R  [C0805-N]  44.45,210.75 0 bottom
C468  0603/4u7/10V/X5R  [C0603K-SMALL]  45.45,206.35 90 bottom
C469  0805/10u/10V/X5R  [C0805-N]  44.45,208.75 0 bottom
C470  0805/10u/10V/X5R  [C0805-N]  93,207.75 270 bottom
C471  0805/10u/10V/X5R  [C0805-N]  55.75,212 180 bottom
C472  0805/10u/10V/X5R  [C0805-N]  48.75,218.5 90 bottom
C473  0603/4u7/10V/X5R  [C0603K-SMALL]  48.2,216.25 180 bottom
C474  0402/47n/10V/X5R  [C0402-SMALLER]  48.75,215.25 0 bottom
C475  0805/10u/10V/X5R  [C0805-N]  52.25,211 0 bottom
C476  0603/1u/6V3/X5R  [C0603K-SMALL]  49.75,220.75 0 bottom
C477  1210/100u/6V3/X5R  [C1210K]  38,229.25 270 bottom
C478  1210/100u/6V3/X5R  [C1210K]  35.25,205 0 bottom
C479  0402/22p/10V/C0G  [C0402-SMALLER]  113.5,244.5 270 bottom
C480  0402/22p/10V/C0G  [C0402-SMALLER]  110.5,244.5 270 bottom
C481  0402/22p/10V/C0G  [C0402-SMALLER]  108.5,244.5 270 bottom
C482  0402/100n/10V/X5R  [C0402-SMALLER]  127.25,206.25 180 bottom
C483  0402/33p/50V/C0G  [C0402-SMALLER]  110,258 0 bottom
C484  0402/10p/50V/C0G  [C0402-SMALLER]  108,257 0 bottom
C485  0402/33p/50V/C0G  [C0402-SMALLER]  112,258 180 bottom
C486  0402/33p/50V/C0G  [C0402-SMALLER]  108,258 0 bottom
C487  0402/10p/50V/C0G  [C0402-SMALLER]  110,257 0 bottom
C488  0402/10p/50V/C0G  [C0402-SMALLER]  112,257 180 bottom
C489  0402/33p/50V/C0G  [C0402-SMALLER]  101.5,238.5 90 bottom
C490  0402/10p/50V/C0G  [C0402-SMALLER]  102.5,240.5 90 bottom
C491  0402/33p/50V/C0G  [C0402-SMALLER]  101.5,236.5 270 bottom
C492  0402/33p/50V/C0G  [C0402-SMALLER]  101.5,240.5 90 bottom
C493  0402/10p/50V/C0G  [C0402-SMALLER]  102.5,238.5 90 bottom
C494  0402/10p/50V/C0G  [C0402-SMALLER]  102.5,236.5 270 bottom
C495  0402/100n/10V/X5R  [C0402-SMALLER]  91.25,242.45 180 bottom
C496  0402/100n/10V/X5R  [C0402-SMALLER]  106.75,253 270 bottom
C497  [C0402-SMALLER]  123.45,230.1 270 bottom
C498  [C0402-SMALLER]  124,227.5 180 bottom
C499  [C0402-SMALLER]  122.75,257 20 bottom
C500  [C0402-SMALLER]  123.75,259.75 20 bottom
C501  [C0402-SMALLER]  17.75,215.5 270 bottom
C502  [C0402-SMALLER]  14.5,215.5 270 bottom
C503  0402/1n/10V/X5R  [C0402-SMALLER]  93.5,249.75 0 bottom
C504  0402/2n2/10V/X5R  [C0402-SMALLER]  91.5,249.75 0 bottom
C505  0402/100n/10V/X5R  [C0402-SMALLER]  96,247 0 bottom
C506  0402/100n/10V/X5R  [C0402-SMALLER]  96,246 0 bottom
C507  0402/220n/6V3/X5R  [C0402-SMALLER]  35.95,250.45 180 bottom
C508  0402/220n/6V3/X5R  [C0402-SMALLER]  35.95,251.45 180 bottom
C509  0402/100n/10V/X5R  [C0402-SMALLER]  33.05,241.45 270 bottom
C510  0402/100n/10V/X5R  [C0402-SMALLER]  29,229.25 180 bottom
C511  0402/100n/10V/X5R  [C0402-SMALLER]  20.25,221 270 bottom
C512  0402/100n/10V/X5R  [C0402-SMALLER]  23.5,215.25 0 bottom
C513  0805/10u/10V/X5R  [C0805-N]  23.85,226.1 90 bottom
C514  0402/100n/10V/X5R  [C0402-SMALLER]  26.1,222.25 90 bottom
C515  0402/100n/10V/X5R  [C0402-SMALLER]  36.75,218.75 180 bottom
C516  0603/1u/6V3/X5R  [C0603K-SMALL]  23.5,221.75 0 bottom
C517  0603/22u/4V/X5R  [C0603K-SMALL]  33.25,224.75 90 bottom
C518  0603/22u/4V/X5R  [C0603K-SMALL]  32,224.75 90 bottom
C519  0805/10u/10V/X5R  [C0805-N]  38.25,224 270 bottom
C520  0402/4u7/6V3/X5R  [C0402-SMALLER]  27.6,222 90 bottom
C521  0402/4u7/6V3/X5R  [C0402-SMALLER]  33.2,220.5 180 bottom
C522  0402/4u7/6V3/X5R  [C0402-SMALLER]  28.9,222.2 90 bottom
C523  0402/100n/10V/X5R  [C0402-SMALLER]  28,207 270 bottom
C524  0402/100n/10V/X5R  [C0402-SMALLER]  36,214.25 270 bottom
C525  0805/10u/10V/X5R  [C0805-N]  36.5,220.75 180 bottom
C526  0402/100n/10V/X5R  [C0402-SMALLER]  23.5,214.25 0 bottom